# Altium PCB MB V3.PcbDoc (part 4 of 4)
Units mil, origin at the board's own origin, x right, y up, seen from the top; angles counter-clockwise.
Board outline 7875 x 7012 mil, 4 copper layers (Top Layer, Mid Top, Mid Bottom, Bottom Layer), stack 23.756 mil thick; 247 components, 228 nets, 947 pads, 302 vias.
Unrouted connection lines stored in the file: 2.
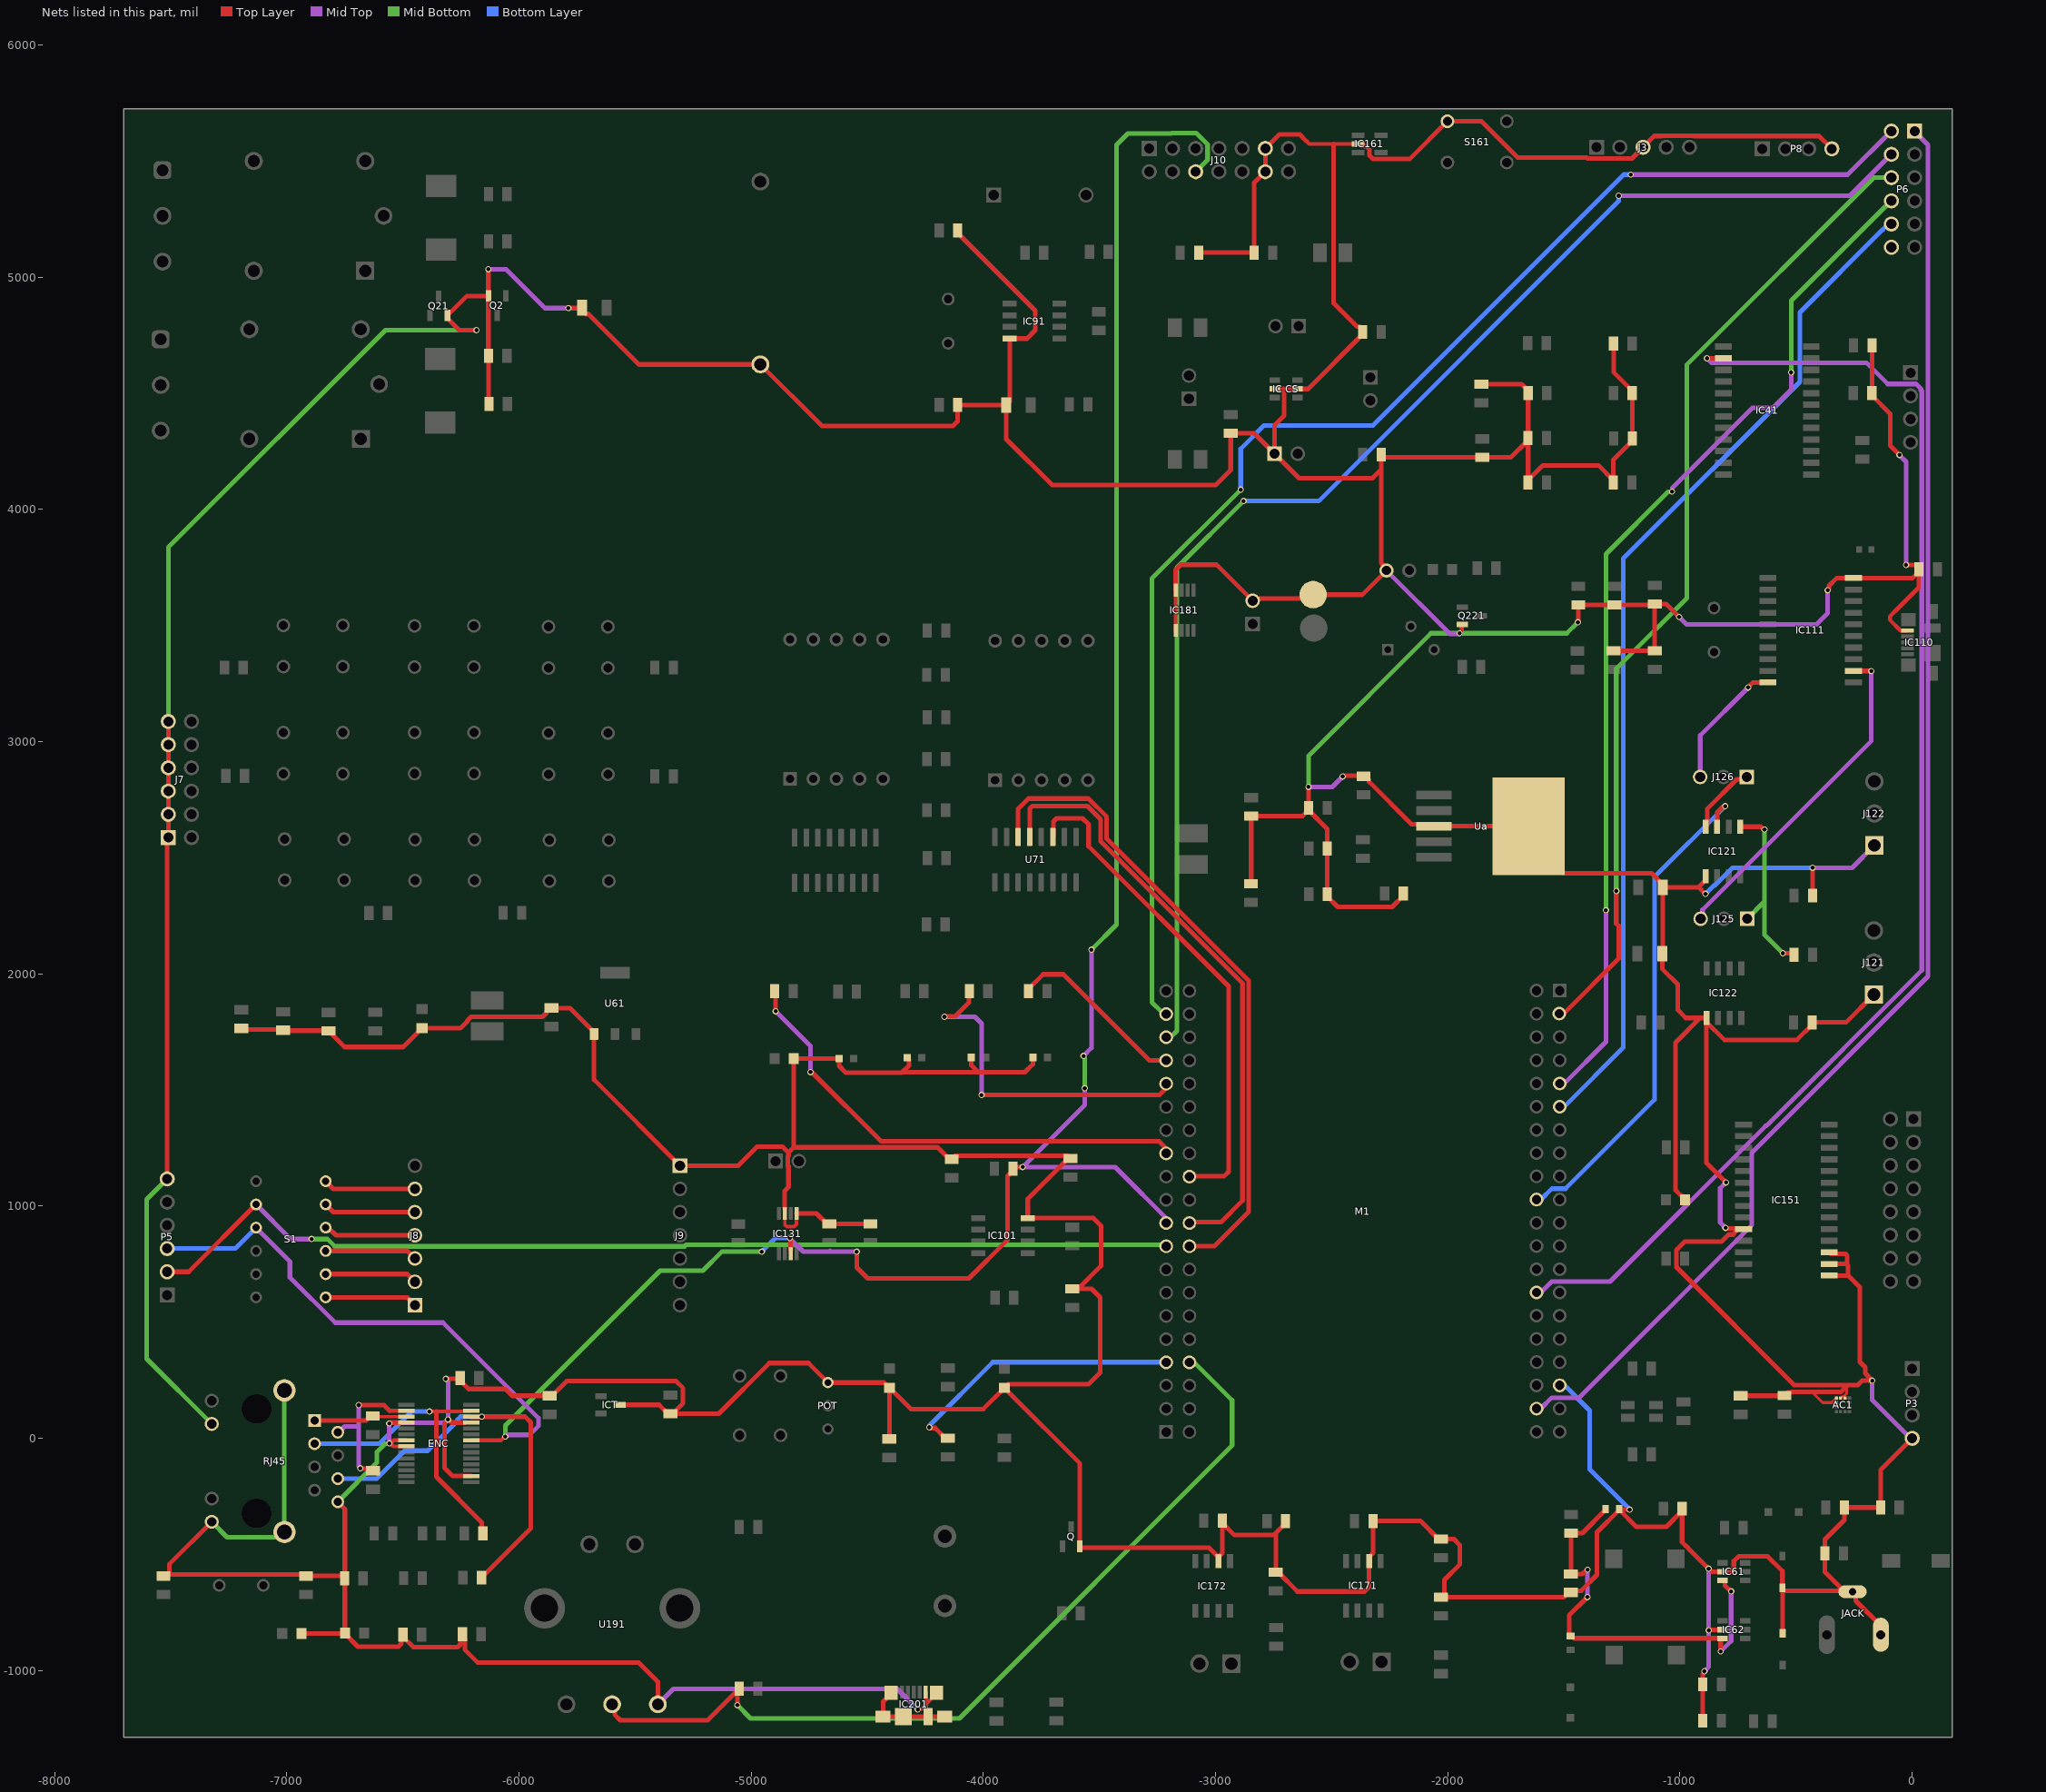
[diagram p6: the nets of this part, all layers, seen from the top]

## Via types
v1: diameter 27, hole 18, Top Layer to Bottom Layer, tented both sides, 290 vias
v2: diameter 27, hole 18, Top Layer to Bottom Layer, 12 vias

## Nets (pads, with @x,y where several pads share a name; then routed paths per layer and width w, separated by ;. In a path a pad name is that pad's centre, name@x,y a point inside that pad or via, vN(x,y) a via of type N, cw(c..) or ccw(c..) an arc to the next point about the centre after c; other vN are vias at no path point) (continued)
RJ4/LEDG: M1.5 RG4.2 | length 1495.8
  Top Layer w20: v1(-4167.94,1815) -4166.6,1816.34 -4122.6,1816.34 -4062.23,1876.72 -4062.23,1923.72 RG4.2@-4060.94,1925 ; v1(-4007.94,1478) -3243.4,1478 -3193.4,1528 M1.5@-3192.94,1528
  Mid Top w20: v1(-4167.94,1815) -4036.94,1815 -4007.94,1786 v1(-4007.94,1478)
RJ5/LEDG: M1.4 RG5.2 | length 802.4
  Top Layer w20: RG5.2@-3805.94,1925 -3805.94,1935 -3742.94,1998 -3655.94,1998 -3285.94,1628 M1.4@-3192.94,1628
RJ6: M1.3 P6.4 | length 5858.5
  Mid Top w20: v1(-1263.94,5351) -268.94,5351 P6.4@-90.94,5529
  Mid Bottom w20: M1.3@-3192.94,1728 -3166.94,1754 -3166.94,3749 v1(-2879.94,4036)
  Bottom Layer w20: v1(-2879.94,4036) -2555.94,4036 -1263.94,5328 v1(-1263.94,5351)
RJ7: M1.2 P6.2 | length 6012
  Mid Top w20: v1(-1211.94,5442) -277.94,5442 P6.2@-90.94,5629
  Mid Bottom w20: M1.2@-3192.94,1828 -3198.55,1833.61 -3230.55,1833.61 -3274.94,1878 -3274.94,3702 v1(-2891.94,4085)
  Bottom Layer w20: v1(-2891.94,4085) -2891.94,4261 -2791.94,4361 -2322.94,4361 -1241.94,5442 v1(-1211.94,5442)
RK0/LEDG: M1.8 RG1.2 | length 2109.3
  Top Layer w20: RG1.2@-4898.94,1926 -4894.94,1922 v1(-4894.94,1839) ; v1(-4744.94,1577) -4738.94,1577 -4440.75,1278.81 -3243.75,1278.81 M1.8@-3192.94,1228
  Mid Top w20: v1(-4894.94,1839) -4744.94,1689 v1(-4744.94,1577)
RK1: M1.62 P6.6 | length 4235.5
  Top Layer w20: M1.62@-1499.94,1830 -1262.94,2067 -1262.94,2205.3 -1274.44,2216.8 v1(-1274.44,2357)
  Mid Bottom w20: v1(-1274.44,2357) -1274.44,3314.06 -969.94,3618.56 -969.94,4624 -164.94,5429 P6.6@-90.94,5429
RK2: M1.65 P6.8 | length 4443.7
  Mid Top w20: M1.65@-1497.94,1529 -1318.94,1708 v1(-1318.94,2274) ; v1(-1033.94,4077) -1032.6,4078.34 -1032.6,4093.34 -688.3,4437.64 -600.3,4437.64 -520.94,4517 v1(-520.94,4590)
  Mid Bottom w20: v1(-1318.94,2274) -1318.94,3808 -1051.28,4075.66 -1035.28,4075.66 v1(-1033.94,4077) ; v1(-520.94,4590) -520.94,4899 P6.8@-90.94,5329
RK3: M1.66 P6.10 | length 4390.3
  Bottom Layer w20: M1.66@-1497.94,1429 -1244.94,1682 -1244.94,3787.94 -483.94,4548.94 -483.94,4848.77 -129.23,5203.48 -128.63,5203.48 -103.11,5229 P6.10@-90.94,5229
RK4: P6.12
RK6: M1.59 P6.1 | length 6283.6
  Mid Top w20: M1.59@-1597.94,129 -1552.04,174.9 -1434.04,174.9 -690.13,918.82 -690.13,1230.82 68.06,1989 68.06,5570 P6.1@9.06,5629
RK7/PWMOUT12: IC41.2 M1.54 | length 5766.7
  Top Layer w20: v1(-883.94,4651) IC41.2@-812.92,4651
  Mid Top w20: M1.54@-1597.94,629 -1552.04,674.9 -1301.43,674.9 -631.32,1345.01 -628.58,1345.01 41.54,2015.13 41.54,4509.08 37.54,4513.08 37.54,4519.66 16.68,4540.52 -105.46,4540.52 -196.94,4632 -864.94,4632 v1(-883.94,4651)
RL0/DIR1: IC121.3 M1.50 | length 2162.4
  Top Layer w20: IC121.3@-839.94,2633.73 -839.94,2694.7 -813.98,2720.66 -806.78,2720.66 v1(-805.44,2722)
  Bottom Layer w20: M1.50@-1597.94,1029 -1552.04,1074.9 -1493.31,1074.9 -1109.94,1458.27 -1109.94,2417.5 v1(-805.44,2722)
RL1/SEG: M1.29 U71.3 | length 2138.8
  Top Layer w20: U71.3@-3700.94,2589.44 -3699.13,2591.25 -3699.13,2655.81 -3684.72,2670.22 -3573.47,2670.22 -3547.13,2643.89 -3547.13,2549.34 -2944.23,1946.44 -2944.23,1147.72 -2963.94,1128 M1.29@-3092.94,1128
RL2/SEG: M1.31 U71.5 | length 2598.6
  Top Layer w20: U71.5@-3800.94,2589.44 -3800.94,2710.5 -3789.23,2722.22 -3551.93,2722.22 -3495.13,2665.43 -3495.13,2570.88 -2883.94,1959.69 -2883.94,1024 -2977.42,930.53 -3090.42,930.53 M1.31@-3092.94,928
RL3/SEG: M1.32 U71.6 | length 2804.1
  Top Layer w20: U71.6@-3850.94,2589.44 -3850.94,2710.27 -3806.22,2755 -3547.94,2755 -3469.13,2676.2 -3469.13,2581.65 -2857.94,1970.46 -2857.94,975 -3004.94,828 M1.32@-3092.94,828
RL4/ENCODER: M1.37 R192.1 U191.B1 | length 3782.8
  Top Layer w20: U191.B1@-5599.28,-1145.39 -5588.42,-1156.25 -5588.42,-1189.52 -5563.94,-1214 -5187.94,-1214 R192.1@-5059.94,-1086 ; v1(-5059.94,-1149) R192.1@-5059.94,-1086 ; R192.1@-5051.94,-1078 R192.1@-5059.94,-1086
  Mid Bottom w20: v1(-5059.94,-1149) -5002.94,-1206 -4103.94,-1206 -2928.94,-31 -2928.94,164 M1.37@-3092.94,328
RL5/BUTTON: M1.17 R83.1 | length 1259.5
  Top Layer w20: v1(-4232.94,47) -4230.07,44.13 -4208.07,44.13 -4163.94,0 R83.1@-4153.94,0
  Bottom Layer w20: v1(-4232.94,47) -4232.94,55 -3959.94,328 M1.17@-3192.94,328
RL6/SS1: M1.12 P5.2 S1.2 | length 4521.6
  Top Layer w20: P5.2@-7515.89,717 -7422.94,717 S1.2@-7132.94,1007
  Mid Top w20: S1.2@-7132.94,1007 -6983.94,858 v1(-6893.94,858)
  Mid Bottom w20: v1(-6893.94,858) -6825.13,858 -6793.63,826.5 -5287.54,826.5 -5281.04,833 -3200.36,833 M1.12@-3194.38,827.02
RL7/SCK: ENC.8 IC131.3 J10.6 M1.11 P5.3 R105.2 S1.3 | length 11390.6
  Top Layer w17: ENC.8@-6206.18,-9.2 -6078.35,-9.2 -6062.15,7 v1(-6059.44,7)
  Top Layer w20: v1(-4834.1,862.66) -4834.1,860.76 -4830.15,856.81 IC131.3@-4830.15,812.95 ; v1(-4545.94,803.5) -4545.94,736 -4498.94,689 -4061.94,689 -3896.94,854 -3896.94,1129.97 -3889.91,1137 -3886.94,1137 -3872.94,1151 R105.2@-3872.94,1161 -3865.94,1168 v1(-3830.94,1168)
  Mid Top w20: S1.3@-7132.94,907 -6986.98,761.04 -6986.98,693.04 -6791.94,498 -6327.88,498 -5916.94,87.06 -5916.94,52.43 -5954.38,15 -6049.55,15 -6057.55,7 v1(-6059.44,7) ; v1(-4834.1,862.66) -4834.1,862.16 -4775.94,804 -4664.47,804 -4661.47,807 -4657.97,803.5 v1(-4545.94,803.5) ; v1(-3568.94,1646.5) -3568.94,1647 -3534.94,1681 v1(-3534.94,2104) ; v1(-3563.94,1507.5) -3563.94,1435 v1(-3830.94,1168) -3432.94,1168 M1.11@-3192.94,928
  Mid Bottom w20: v1(-6059.44,7) -6059.44,54.56 -5392.01,722 -5208.48,722 -5126.98,803.5 v1(-4954.94,803.5) ; v1(-3568.94,1646.5) -3568.94,1644.61 -3563.94,1639.61 v1(-3563.94,1507.5) ; v1(-3534.94,2104) -3427.34,2211.61 -3427.34,5569.61 -3377.94,5619 -3190.03,5619 -3188.03,5621 -3083.86,5621 -3034.94,5572.08 -3034.94,5505.52 J10.6@-3085.94,5454.52
  Bottom Layer w20: P5.3@-7515.89,817 -7222.94,817 S1.3@-7132.94,907 ; v1(-4954.94,803.5) -4895.44,863 -4834.44,863 v1(-4834.1,862.66)
RS485/RX2: IC121.4 J126.1 | length 306.3
  Top Layer w20: IC121.4@-889.94,2633.73 -883.15,2640.53 -883.15,2709.8 -755.41,2837.53 -723.41,2837.53 J126.1@-712.94,2848
RS485/TX2: IC121.1 J125.1 R124.2 | length 831.5
  Top Layer w20: IC121.1@-739.94,2633.73 -651.74,2633.73 -640,2622 v1(-635.94,2622) ; v1(-556.94,2089) -515.94,2089 R124.2@-508.94,2082
  Mid Bottom w20: J125.1@-710.94,2237 -635.94,2312 ; v1(-635.94,2622) -635.94,2312 ; v1(-556.94,2089) -635.94,2168 -635.94,2312
RX4/DIP: J8.2 S1.8 | length 397.7
  Top Layer w20: S1.8@-6832.94,707 -6481.94,707 J8.2@-6448.94,674
SCK/DIP: J8.4 S1.10 | length 397.7
  Top Layer w20: S1.10@-6832.94,907 -6821.8,907 -6788.8,874 J8.4@-6448.94,874
SDI/DIP: J8.6 S1.12 | length 408.8
  Top Layer w20: S1.12@-6821.8,1107 S1.12@-6832.94,1107 -6799.94,1074 J8.6@-6448.94,1074
SDO/DIP: J8.3 S1.9 | length 397.7
  Top Layer w20: S1.9@-6832.94,807 -6481.94,807 J8.3@-6448.94,774
SS/DIP: J8.5 S1.11 | length 397.7
  Top Layer w20: S1.11@-6832.94,1007 -6799.94,974 J8.5@-6448.94,974
TPIN+: ENC.13 R146.1 RJ45.3 | length 1342.2
  Top Layer w15: v1(-6386.44,115.25) -6356.57,115.25 -6247.47,115.25 -6247.21,115.52 -6242.9,115.52 -6241.03,117.39 -6207.54,117.39 ENC.13@-6206.18,118.75
  Top Layer w20: -6356.57,115.25 -6356.57,-166.38 -6160.66,-362.29 -6160.66,-405.29 R146.1@-6155.94,-410
  Bottom Layer w20: RJ45.3@-6881.03,-23.63 -6602.29,-23.63 -6463.42,115.25 v1(-6386.44,115.25)
TPIN-: ENC.12 R145.2 RJ45.6 | length 1757
  Top Layer w20: ENC.12@-6206.18,93.16 v1(-6160.73,93.16) -5974.38,93.16 -5949.44,68.22 -5949.44,-387.5 R145.2@-6161.94,-600
  Bottom Layer w20: RJ45.6@-6781.03,-173.63 -6613.22,-173.63 -6493.17,-53.58 -6393.88,-53.58 -6266.79,73.51 -6266.79,78.43 -6252.07,93.16 v1(-6160.73,93.16)
TPOUT+: ENC.17 R148.1 RJ45.1 | length 404.6
  Top Layer w15: R148.1@-6629.94,96 -6627.1,93.16 ENC.17@-6485.71,93.16
  Top Layer w20: RJ45.1@-6881.03,76.37 -6659.57,76.37 -6639.94,96 R148.1@-6629.94,96
TPOUT-: ENC.16 R147.2 RJ45.2 | length 650
  Top Layer w17: -6557.69,118.75 ENC.16@-6485.71,118.75
  Top Layer w20: v1(-6690.94,143) -6581.94,143 -6557.69,118.75 ; v1(-6683.85,-129.1) -6682.51,-130.43 -6638.51,-130.43 R147.2@-6628.94,-140
  Mid Top w20: RJ45.2@-6781.03,26.37 -6776.42,26.37 -6751.8,51 -6690.94,51 ; v1(-6690.94,143) -6690.94,51 ; v1(-6683.85,-129.1) -6683.85,-127.2 -6690.94,-120.1 -6690.94,51
TX4/DIP: J8.1 S1.7 | length 397.7
  Top Layer w20: S1.7@-6832.94,607 -6481.94,607 J8.1@-6448.94,574
USB/RX2: IC111.10 J126.3 | length 566.3
  Top Layer w20: v1(-706.39,3233.44) -706.39,3235.04 -686.43,3255 IC111.10@-621,3255
  Mid Top w20: J126.3@-912.94,2848 -912.94,3026.89 v1(-706.39,3233.44)
USB/TX2: IC111.12 J125.3 | length 1448.8
  Top Layer w20: IC111.12@-252.89,3305 -252.39,3304.5 -176.44,3304.5 v1(-175.94,3304)
  Mid Top w20: J125.3@-910.94,2237 -902.96,2244.98 -902.96,2275.98 -175.94,3003 v1(-175.94,3304)
VFB: IC61.3 IC62.3 R61.1 R62.2 R63.2 R64.1 | length 1831
  Top Layer w20: R63.2@-1471.94,-851.47 -1473.83,-851.47 -1477.6,-847.69 -1477.6,-762.66 v1(-1398.94,-684) ; R63.2@-1468.01,-851.47 -1458.08,-861.4 IC62.3@-819.13,-861.4 ; v1(-1397.98,-565.97) -1402.03,-565.97 -1420.07,-584 R62.2@-1469.94,-584 -1468.94,-583 R61.1@-1468.94,-408 -1420.53,-408 -1320.47,-307.94 R64.1@-1320.47,-304 ; v1(-824.94,-918) -824.94,-867.21 IC62.3@-819.13,-861.4 ; IC62.3@-817.37,-861.4 IC62.3@-819.13,-861.4 ; IC61.3@-817.16,-611.4 -811.57,-611.4 -805.76,-617.21 -805.76,-634.18 -780.79,-659.16 v1(-779.1,-659.16)
  Mid Top w20: v1(-1398.94,-684) -1398.46,-683.52 -1398.46,-566.45 v1(-1397.98,-565.97) ; v1(-824.94,-918) -779.94,-873 -779.94,-660 v1(-779.1,-659.16)
VSS: "IC CS.2" "IC CS.5" "T PAD.1" AC1.5 AC1.6 AC1.7 AC1.8 BT1.2 C41.2 C42.2 C43.2 C44.2 C45.2 C46.2 C47.2 C62.2 C63.1 C64.1 C65.2 C67.1 C68.1 C91.2 C92.2 C94.2 C111.2 C112.2 C113.2 C114.2 C115.2 C116.2 C121.1 C122.1 C131.1 C132.2 C141.1 C142.2 C143.2 C144.2 C145.2 C171.2 C172.2 C173.2 C174.2 C211.2 C212.2 C221.2 C222.2 C223.1 CA1.2 CA2.2 CA3.2 CA4.2 CA5.2 CA.2 CB1.2 CB2.2 CB3.2 CB4.2 Ct1.2 Ct.2 D2.1 D71.1 D72.1 D131.1 D132.1 D141.1 DG1.1 DG2.1 DG3.1 DG4.1 DG5.1 ENC.2 ENC.11 ENC.18 ENC.21 ENC.22 IC61.2 IC62.2 IC91.4 IC101.4 IC110.5 IC111.20 IC121.5 IC122.5 IC131.5 IC131.7 IC151.10 IC151.15 IC151.16 IC151.17 IC161.2 IC171.2 IC172.2 IC181.4 IC181.5 IC201.5 IC201.MP1 IC201.MP2 IC201.MP3 IC201.MP4 IC201.MP5 IC201.MP6 ICT.3 J3.3 J4.1 J7.1 J7.3 J7.5 J7.7 J7.9 J7.11 J9.1 J10.11 J10.12 J121.1 J122.1 J181.2 JACK.B JACK.C M1.78 P3.4 P5.6 P8.4 POT.1 Q2.2 Q21.2 Q221.2 Q.2 R22.1 R24.1 R41.1 R43.1 R45.1 R46.1 R62.1 R64.2 R84.2 R102.2 R103.2 R104.2 R121.2 R123.2 R141.1 R172.1 R173.1 R221.1 R225.1 RA1.2 RJ45.8 RJ45.10 RJ45.12 RJ45.15 RJ45.16 S161.1 SuperCap.2 U61.1 U191.C1 U210.2 Ua.3 Ua.6 Z61.2 Z62.2 | length 66564.1
  Top Layer w12: -431.94,200 -385.79,153.84 -346.15,153.84 ; AC1.8@-325.98,153.84 -346.15,153.84 ; AC1.7@-325.98,173.53 -326.47,173.53 -346.15,153.84 ; AC1.6@-307.79,173.53 -307.79,174.02 -301.52,180.29 -294.4,180.29 -282.29,192.39 -282.29,224
  Top Layer w15: IC131.7@-4855.74,968.61 -4855.74,919.79 -4846.95,911 -4815.94,911 -4805.92,921.03 -4805.92,967.26 IC131.5@-4804.56,968.61 ; v1(-4282.94,-1168) -4280.65,-1165.7 -4268.38,-1165.7 -4248.49,-1145.81 IC201.MP2@-4218.58,-1115.9 ; IC181.5@-3172.33,3479.39 IC181.4@-3172.33,3652.61
  Top Layer w17: ENC.22@-6485.71,-34.8 -6541.55,-34.8 -6554.34,-22 -6541.55,-9.2 ENC.21@-6485.71,-9.2 ; -2607.94,5585 -2596.94,5574 -2491.55,5574 IC161.2@-2386.16,5574 ; -73.94,3561 -96.02,3538.92 -96.02,3524.84 -50,3478.82 -20.03,3478.82 IC110.5@-19.67,3478.46
  Top Layer w20: C143.2@-7531.94,-593 -7521.94,-593 -7506.94,-578 -7506.94,-542.65 RJ45.12@-7323.94,-359.65 ; P5.6@-7515.89,1117 -7515.89,2582.06 J7.1@-7510.94,2587 J7.3@-7510.94,2687 J7.5@-7510.94,2787 J7.7@-7510.94,2887 J7.9@-7510.94,2987 J7.11@-7510.94,3087 ; C143.2@-7506.94,-587 -6923.94,-587 C142.2@-6917.94,-593 -6761.94,-593 R141.1@-6751.94,-603 ; CB1.2@-7196.94,1765 -7192.94,1761 -7019.94,1761 CB2.2@-7015.94,1757 -7014.44,1755.5 -6822.44,1755.5 CB3.2@-6820.94,1754 -6751.94,1685 -6499.27,1685 D2.1@-6417.94,1766.32 -6252.09,1766.32 -6223.81,1794.6 -6223.81,1798.14 -6206.95,1815 -5898.94,1815 -5880.94,1833 -5880.94,1843 -5870.94,1853 CB4.2@-5860.94,1853 -5781.31,1853 -5677.1,1748.79 U61.1@-5677.1,1741.31 -5677.1,1543.89 J9.1@-5307.21,1174 -5056.94,1174 -4974.94,1256 -4865.48,1256 -4839.94,1230.47 ; D131.1@-6937.61,-840 -6751.28,-840 D132.1@-6750.28,-839 ; RJ45.8@-6781.03,-273.63 -6750.28,-304.38 D132.1@-6750.28,-839 ; v1(-6559.48,63.66) -6558.14,65 -6553.57,65 -6551,67.57 ENC.18@-6511.14,67.57 ; v1(-6558.94,-22) v1@-6554.34,-22 ; v1(-6315.94,256) -6256.94,256 C141.1@-6253.94,259 -6253.94,249 -6217.44,212.5 -6059.39,212.5 -6029.89,183 Ct1.2@-5867.94,183 -5857.94,183 -5793.94,247 -5324.94,247 -5293.94,216 -5293.94,151 Ct.2@-5338.94,106 ; C145.2@-6243.94,-854 -6233.94,-864 -6233.94,-910 -6177.4,-966.55 -5484.4,-966.55 -5402.43,-1048.51 U191.C1@-5402.43,-1145.39 ; C145.2@-6243.94,-844 -6252.57,-852.63 -6252.57,-887.8 -6264.29,-899.51 -6455.43,-899.51 -6499.94,-855 C144.2@-6499.94,-845 -6507.09,-852.14 -6507.09,-884.14 -6519.94,-897 -6694.25,-897 -6750.28,-840.97 D132.1@-6750.28,-839 ; ENC.11@-6231.61,67.78 -6290.83,67.78 -6304.05,81 v1(-6305.94,81) -6305.94,79.11 -6321.77,63.28 -6321.77,-127.17 -6286.2,-162.75 ENC.2@-6206.18,-162.75 ; v1(-6183.94,4772) -6257.68,4772 -6308.54,4822.87 Q21.2@-6308.54,4835.66 -6224.87,4919.34 Q2.2@-6132.35,4919.34 ; v1(-6132.35,5034.4) Q2.2@-6132.35,4919.34 ; R22.1@-6129.94,4454 -6131.94,4456 R24.1@-6131.94,4661 -6132.35,4661.4 Q2.2@-6132.35,4919.34 ; v1(-5787.94,4867) -5731.09,4867 SuperCap.2@-5729.09,4869 -5729.09,4857.19 -5713.44,4841.54 -5701.63,4841.54 -5484.6,4624.5 BT1.2@-4960.94,4624.5 -4695.44,4359 -4131.94,4359 -4110.94,4380 C91.2@-4110.94,4451 -4109.94,4450 C94.2@-3902.09,4450 ; ICT.3@-5564.61,144 -5396.94,144 -5358.94,106 Ct.2@-5348.94,106 Ct.2@-5338.94,106 ; IC131.7@-4855.74,986.17 -4855.74,1066.02 -4839.94,1081.82 -4839.94,1171.83 -4842.44,1174.33 -4842.44,1213.67 -4839.94,1216.17 -4839.94,1230.47 ; IC131.5@-4804.56,968.61 -4719.56,968.61 -4673.94,923 C131.1@-4663.94,923 C132.2@-4486.94,923 ; R84.2@-4405.94,-3 -4403.94,-1 D71.1@-4403.94,217.66 ; IC201.MP1@-4397.58,-1096.62 -4397.58,-1099.08 -4432.54,-1134.04 IC201.MP3@-4432.54,-1198 IC201.MP4@-4344.94,-1198 IC201.MP5@-4238.64,-1198 ; DG3.1@-4328.44,1639 -4320.88,1631.44 -4320.88,1605.06 -4349.94,1576 ; IC201.5@-4248.49,-1093.28 -4248.49,-1145.81 -4248.49,-1188.16 IC201.MP5@-4238.64,-1198 ; IC201.MP2@-4219.81,-1114.67 IC201.MP2@-4201.75,-1096.62 ; IC201.MP6@-4166.79,-1198 IC201.MP5@-4238.64,-1198 ; C92.2@-4110.94,5201 -4110.94,5191 -3776.44,4856.5 -3776.44,4771.95 -3812.4,4736 IC91.4@-3886.68,4736 -3886.68,4465.42 C94.2@-3902.09,4450 ; DG4.1@-4052.44,1640 -4052.44,1606.5 -4021.94,1576 ; DG5.1@-3787.44,1640 -3787.44,1610.5 -3821.94,1576 -4021.94,1576 ; R103.2@-3617.94,644 R103.2@-3591.94,644 ; IC181.4@-3172.33,3652.61 -3172.33,3738.61 -3148.94,3762 -2995.94,3762 J181.2@-2840.94,3607 -2831.19,3616.76 -2596.19,3616.76 -2579.94,3633 -2368.16,3633 U210.2@-2264.16,3737 -2264.16,3745.75 -2286.94,3768.54 -2286.94,4173 ; C222.2@-3072.94,5106 R225.1@-2833.94,5106 -2833.94,5406.52 J10.12@-2785.94,5454.52 J10.11@-2785.94,5554.52 -2725.46,5615 -2637.94,5615 -2607.94,5585 ; IC172.2@-2987.94,-529.27 IC172.2@-2987.94,-511.98 ; C174.2@-2970.94,-355 C174.2@-2970.94,-365 ; CA4.2@-2849.94,2386 CA4.2@-2847.94,2388 -2846.94,2389 CA1.2@-2846.94,2679 -2625.94,2679 CA.2@-2599.94,2705 ; C173.2@-2698.94,-356 -2698.94,-366 -2740.94,-408 ; v1(-2599.94,2805) CA.2@-2599.94,2715 CA.2@-2599.94,2705 ; -2491.55,5574 -2491.55,4888.61 -2390.94,4788 -2380.94,4788 -2366.94,4774 C223.1@-2366.94,4764 -2366.94,4754 -2601.94,4519 -2646.73,4519 -2745.16,4519 -2739.35,4513.19 -2716.84,4513.19 -2704.52,4500.87 -2704.52,4403.89 -2745.94,4362.47 J4.1@-2745.94,4240 ; v1(-2453.08,2849.86) -2451.19,2849.86 -2448.05,2853 -2364.94,2853 RA1.2@-2362.94,2851 -2352.94,2851 -2338.94,2837 -2338.94,2827 -2156.36,2644.42 -2068.46,2644.42 Ua.3@-2060.04,2636 Ua.6@-1652.56,2636 -1652.56,2580.88 -1507.05,2435.37 -1497.7,2435.37 -1495.33,2433 -1121.98,2433 -1073.79,2384.81 C122.1@-1073.79,2373 ; IC161.2@-2370.41,5574 -2360.82,5564.41 -2351.97,5564.41 -2336.94,5549.38 -2336.94,5523.81 -2321.92,5508.79 -2164.69,5508.79 S161.1@-2001.9,5671.58 -1855.53,5671.58 -1699.41,5515.46 -1402.05,5515.46 -1398.05,5511.46 -1207.42,5511.46 J3.3@-1158.94,5559.94 -1110.89,5608 -1079.45,5608 -1079.03,5608.43 -938.86,5608.43 -938.44,5608 -401,5608 P8.4@-345.94,5552.94 ; CA2.2@-2191.94,2346 -2191.94,2336 -2239.94,2288 -2473.94,2288 -2519.94,2334 -2519.94,2539 CA5.2@-2518.94,2540 -2518.94,2624 CA.2@-2599.94,2705 ; -1940.94,3479.12 -1940.94,3498.79 -1938.28,3501.45 Q221.2@-1938.28,3504.6 ; C46.2@-1855.94,4539 -1681.94,4539 -1653.94,4511 R41.1@-1653.94,4501 C41.2@-1653.94,4127 ; C41.2@-1654.94,4116 -1653.94,4117 C41.2@-1653.94,4127 ; C45.2@-1654.94,4297 -1727.94,4224 C47.2@-1851.94,4224 -2274.94,4224 R221.1@-2286.94,4236 -2286.94,4173 ; v1(-1439.94,3514) -1437.94,3516 C114.2@-1437.94,3589 C113.2@-1282.94,3589 -1112.94,3589 C112.2@-1108.94,3593 ; C115.2@-1286.94,3391 C111.2@-1108.94,3391 C112.2@-1108.94,3593 ; C43.2@-1286.94,4116 C43.2@-1286.94,4126 ; R45.1@-1285.94,4714 -1285.94,4591 -1205.94,4511 R46.1@-1205.94,4501 -1205.94,4307 C42.2@-1204.94,4306 -1204.94,4296 -1286.94,4214 C43.2@-1286.94,4126 ; v1(-1216.94,-307) -1260.48,-307 R64.2@-1261.42,-307.94 ; v1(-1003.94,3537) -1059.94,3593 C112.2@-1108.94,3593 ; C63.1@-990.94,-303 C63.1@-990.94,-313 ; D141.1@-977.94,1027 -977.94,1028.97 -994.6,1045.62 -996.57,1045.62 -1019.94,1069 -1019.94,1704.06 -913.74,1810.27 ; C65.2@-901.94,-1216 C62.2@-901.94,-1060 v1@-901.94,-1014.06 ; v1(-890.44,2344.53) -891.46,2344.53 -919.93,2373 ; IC121.5@-889.94,2420.27 -889.94,2402.98 -919.93,2373 ; v1(-875.94,-827) -874.44,-825.5 IC62.2@-818.87,-825.5 ; v1(-803.94,906) -801.44,903.5 -728.5,903.5 IC151.10@-726,901 -749.62,901 -766.56,884.06 -766.56,882.28 -771.34,877.5 -790.72,877.5 -821.77,846.45 -980.12,846.45 -1015.94,810.63 -1015.94,737.37 -508.07,229.5 -276.79,229.5 ; v1(-801.94,1102) -885.94,1186 IC122.5@-885.94,1792.98 ; C212.2@-738.94,183 -550.94,183 C211.2@-549.94,184 -535.94,198 -520.91,198 -518.91,200 -431.94,200 -306.29,200 -282.29,224 -276.79,229.5 ; Z62.2@-557.94,-839.5 -558.44,-839 Z61.2@-558.44,-651.3 ; R123.2@-428.94,2337 v1(-428.94,2457) ; v1(-363.94,3652) -363.94,3653.89 -358.33,3659.51 -358.33,3670.93 -324.27,3705 IC111.20@-252.89,3705 2.06,3705 C116.2@29.06,3732 ; IC151.15@-357.89,701 -275.94,701 ; IC151.16@-357.89,751 -286.97,751 ; IC151.17@-357.89,801 -351.09,794.2 -320.51,794.2 -320.44,794.14 -286.97,794.14 -279.94,787.11 -279.94,758.03 -286.97,751 ; C44.2@-172.94,4707 -172.94,4502 R43.1@-173.94,4501 -173.94,4491 -94.94,4412 -94.94,4275 v1(-54.94,4235) ; J121.1@-164.94,1911 -284.94,1791 R121.2@-430.94,1791 -430.94,1781 -495.94,1716 -808.96,1716 IC122.5@-885.94,1792.98 ; JACK.B@-134.94,-846 -134.94,-807.14 -242.6,-699.49 -242.6,-675.36 JACK.C@-256.99,-660.96 -290.46,-660.96 JACK.C@-293.82,-657.6 ; -73.94,3561 29.06,3664 C116.2@29.06,3732 ; v1(-26.44,3761) 19.06,3761 29.06,3751 C116.2@29.06,3742 C116.2@29.06,3732 ; P3.4@0,0 -135.94,-135.94 C67.1@-135.94,-298 C64.1@-291.94,-298 -291.94,-352 -375.94,-436 C68.1@-375.94,-495 -375.94,-575.47 JACK.C@-293.82,-657.6 ; Ct.2@-5338.94,106 -5139.91,106 -4921.91,324 -4753.94,324 POT.1@-4669.94,240 -4428.25,240 -4405.91,217.66 D71.1@-4403.94,217.66 ; -4839.94,1230.47 -4817.61,1252.81 ; -4817.61,1252.81 DG1.1@-4817.61,1636 -4816.61,1635 DG2.1@-4621.44,1635 -4621.44,1603.5 -4591.94,1574 -4351.94,1574 -4349.94,1576 ; -4817.61,1252.81 -4197.75,1252.81 -4146.94,1202 R104.2@-4136.94,1202 -4122.94,1216 -4106.91,1216 -4105.91,1217 -3636.94,1217 R102.2@-3624.94,1205 -3634.94,1205 -3809.21,1030.73 IC101.4@-3809.21,948 -3526.94,948 -3493.94,915 -3493.94,742 R103.2@-3591.94,644 ; D71.1@-4403.94,217.66 -4312.28,126 -4000.61,126 D72.1@-3909.94,216.66 ; -4349.94,1576 -4021.94,1576 ; D72.1@-3909.94,216.66 -3907.98,216.66 -3892.32,201.01 -3892.32,199.04 -3584.54,-108.74 Q.2@-3584.54,-465.34 -3584.54,-469.19 -3582.73,-471 -3028.93,-471 IC172.2@-2987.94,-511.98 ; D72.1@-3909.94,216.66 -3894.29,232.32 -3547.63,232.32 -3496.94,283 -3496.94,607 -3533.94,644 R103.2@-3591.94,644 ; C94.2@-3902.09,4450 -3902.09,4303.15 -3703.94,4105 -2999.94,4105 -2934.94,4170 C221.2@-2934.94,4328 -2833.94,4328 J4.1@-2745.94,4240 ; IC172.2@-2987.94,-511.98 -2970.94,-494.98 C174.2@-2970.94,-365 ; C174.2@-2970.94,-365 -2918.94,-417 -2749.94,-417 -2740.94,-408 ; J4.1@-2745.94,4240 -2640.94,4135 -2324.94,4135 -2286.94,4173 ; -2740.94,-408 R173.1@-2740.94,-577 -2730.94,-577 -2647.94,-660 -2358.94,-660 -2338.94,-640 IC171.2@-2338.94,-528.27 -2338.94,-510.98 -2321.94,-493.98 C172.2@-2321.94,-356 -2117.94,-356 -2039.94,-434 C171.2@-2029.94,-434 -1973.94,-434 -1948.94,-459 -1948.94,-544 -2014.97,-610.03 -2014.97,-670.03 R172.1@-2028.94,-684 -1499.94,-684 -1479.94,-664 R62.1@-1469.94,-664 -1462.23,-656.29 -1425.23,-656.29 -1357.57,-588.63 -1357.57,-404.09 R64.2@-1261.42,-307.94 ; C41.2@-1653.94,4127 -1590.94,4190 -1350.94,4190 C43.2@-1286.94,4126 ; R64.2@-1261.42,-307.94 -1188.35,-381 -1058.94,-381 C63.1@-990.94,-313 ; C122.1@-1073.79,2373 -919.93,2373 ; C122.1@-1073.79,2373 -1073.79,2090 C121.1@-1076.79,2087 -1076.79,2021.84 -1009.94,1954.99 -1009.94,1845 -975.21,1810.27 -913.74,1810.27 ; C63.1@-990.94,-313 -990.94,-447.31 -975.61,-462.65 -974.06,-462.65 -964.68,-472.02 -964.68,-473.57 v1(-876.6,-561.66) -874.71,-561.66 -862.36,-574 IC61.2@-817.16,-574 -816.53,-574.62 -779.66,-574.62 -767.94,-562.91 -767.94,-528.74 -748,-508.79 -693.73,-508.79 -622.16,-508.79 -558.94,-572 Z61.2@-558.94,-644.5 -558.94,-650.8 Z61.2@-558.44,-651.3 ; -913.74,1810.27 IC122.5@-885.94,1810.27 IC122.5@-885.94,1792.98 ; Z61.2@-558.44,-651.3 -552.15,-657.6 JACK.C@-293.82,-657.6 ; -286.97,751 -282.97,751 -275.94,743.97 -275.94,701 ; -276.79,229.5 -234.57,229.5 -216.07,248 v1(-171.94,248) -171.94,249.89 -201.57,279.52 -201.57,305.11 -225.38,328.92 -225.38,650.44 -275.94,701
  Mid Top w20: v1(-6559.48,63.66) -6559.21,63.39 -6559.21,-21.73 v1(-6558.94,-22) ; v1@-6555.94,67 -6321.16,67 -6307.16,81 v1(-6305.94,81) ; v1(-6315.94,256) -6315.94,254.11 -6305.94,244.11 -6305.94,84.23 v1@-6306.89,83.29 ; v1(-6132.35,5034.4) -6056.35,5034.4 -5888.94,4867 v1(-5787.94,4867) ; U191.C1@-5402.43,-1145.39 -5336.05,-1079 -4392.94,-1079 -4371.94,-1079 v1(-4282.94,-1168) ; v1(-2599.94,2805) -2497.94,2805 v1(-2453.08,2849.86) ; U210.2@-2264.16,3737 -1990.82,3463.66 -1952.35,3463.66 v1(-1949.48,3466.53) ; v1(-1003.94,3537) -971.94,3505 -411.94,3505 -363.94,3553 v1(-363.94,3652) ; v1(-894.94,-1003) -875.94,-984 v1(-875.94,-827) -876.94,-826 -876.94,-562 v1(-876.6,-561.66) ; v1(-803.94,906) -826.94,929 -826.94,1077 v1(-801.94,1102) ; v1(-428.94,2457) -258.94,2457 J122.1@-162.94,2553 ; v1(-171.94,248) -171.94,165 -6.94,0 P3.4@0,0 ; v1(-54.94,4235) -54.94,4233.11 -26.44,4204.61 v1(-26.44,3761)
  Mid Bottom w20: P5.6@-7515.89,1117 -7603.94,1028.94 -7603.94,342 RJ45.10@-7323.94,62 ; J7.11@-7510.94,3087 -7510.94,3837 -6575.94,4772 v1(-6183.94,4772) ; RJ45.12@-7323.94,-359.65 -7257.6,-426 -7053.84,-426 -7031.59,-403.75 RJ45.16@-7010.95,-403.75 RJ45.15@-7010.95,206.09 ; RJ45.8@-6781.03,-273.63 -6612.22,-104.82 -6612.22,-59.27 -6576.28,-23.34 -6560.28,-23.34 v1(-6558.94,-22) ; v1(-2599.94,2805) -2599.94,2939 -2072.41,3466.53 v1(-1949.48,3466.53) -1487.41,3466.53 v1(-1439.94,3514)
  Bottom Layer w20: M1.78@-1497.94,229 -1388.94,120 -1388.94,-134 -1216.94,-306 v1(-1216.94,-307) ; v1(-890.44,2344.53) -854.63,2380.35 -850.6,2380.35 -773.94,2457 v1(-428.94,2457)
pads on no net: AC1. AC1.2 AC1.3 AC1.12 DS1.5 DS2.5 ENC.3 ENC.4 ENC.5 ENC.10 IC41.6 IC41.7 IC41.18 IC41.19 IC61.4 IC62.4 IC91.1 IC110.4 IC110.MP1 IC110.MP2 IC110.MP3 IC110.MP4 IC110.MP5 IC110.MP6 IC111.5 IC111.6 IC111.7 IC111.8 IC111.9 IC111.11 IC111.13 IC111.14 IC111.15 IC111.16 IC151.11 IC151.14 IC151.19 IC151.20 IC171.5 IC172.5 IC201.4 J9.2 J9.3 J9.4 J9.5 J9.6 J9.7 RJ45. RJ45.7 S41.3 S41.4 S42.3 S42.4 S43.3 S43.4 S44.3 S44.4 S45.3 S45.4 S46.3 S46.4 S47.3 S47.4 S48.3 S48.4 S49.3 S49.4 S81.2 S81.3 S161.3 S161.4 U61.4 U71.8 U72.5 U72.6 U72.7 U72.8 U72.10 U72.11 U72.12 U191.D1 U191.E1 U191.MH1 U191.MH2 VR1.2
copper on no net: | length 165
  Top Layer w20: -4724.94,1038 -4559.94,1038

## Polygon pours and split planes (outlines as drawn)
VSS on Top Layer "VSS_L01_P002" (solid, pour order 2): -7702,5725 -7702,-1278 -7705,-1281 -7698,-1288 169,-1288 169,5724 168,5725
VSS on Top Layer "Top Layer-VSS" (hatched 90Degree grid 20 track 8, remove dead copper, pour order 6): -7693,5710 163.69,5710 163.69,-1273 -7699,-1273 -7699,5666 -7679,5666
VSS on Bottom Layer "VSS_L04_P005" (hatched Horizontal grid 20 track 8, remove dead copper, pour order 5): -7707.94,5715 -7707.94,-1282 163.06,-1282 169,-1287.94 169,5722 -7700.94,5722
VSS on Mid Bottom "VSS_L03_P004" (hatched Horizontal grid 20 track 8, remove dead copper, pour order 4): -7701.94,5721 172,5721 172,-1289.06 171.06,-1290 163.06,-1282 -7707.94,-1282 -7707.94,5715
VSS on Mid Top "VSS_L02_P003" (solid, remove dead copper, pour order 3): 171,-1288 -7708,-1288 -7709,-1287 -7702,-1280 -7702,5721 172,5721

## Silkscreen, mask and mechanical layers (free items; w line width, h text height)
Top Overlay:
  lines w10: -7707.94,-1282 -6065.94,-1282 -6065.94,403 -7707.94,403 -7707.94,-1282 ; -7702,3973 -5915,3973 -5915,5721 -7702,5721 -7702,3973 ; -7364.94,2130 -5186.94,2130 -5186.94,3910 -7364.94,3910 -7364.94,2130 ; -7362.94,432 -5179.94,432 -5179.94,1593 -7362.94,1593 -7362.94,432 ; -7362.94,1628 -5183.94,1628 -5183.94,2076 -7362.94,2076 -7362.94,1628 ; -6026.94,-134 -5186.94,-134 -5186.94,405 -6026.94,405 -6026.94,-134 ; -6023.94,-1281 -4734.94,-1281 -4734.94,-195 -6023.94,-195 -6023.94,-1281 ; -5848.94,3967 -3411.94,3967 -3411.94,5718 -5848.94,5718 -5848.94,3967 ; -5142.94,-135 -3419.94,-135 -3419.94,406 -5142.94,406 -5142.94,-135 ; -5142.94,1417 -3422.94,1417 -3422.94,2078 -5142.94,2078 -5142.94,1417 ; -5141.94,2138 -3417.94,2138 -3417.94,3906 -5141.94,3906 -5141.94,2138 ; -5139.94,457 -4373.94,457 -4373.94,1364 -5139.94,1364 -5139.94,457 ; -4663.94,-877 -3416.94,-877 -3416.94,-195 -4663.94,-195 -4663.94,-877 ; -4662.94,-1278 -3418.94,-1278 -3418.94,-940 -4662.94,-940 -4662.94,-1278 ; -4309.94,456 -3419.94,456 -3419.94,1366 -4309.94,1366 -4309.94,456 ; -3321.94,-1289 -1672.94,-1289 -1672.94,-195 -3321.94,-195 -3321.94,-1289 ; -3317.94,2129 -1361.94,2129 -1361.94,3037 -3317.94,3037 -3317.94,2129 ; -3314.94,3103 -2427.94,3103 -2427.94,3910 -3314.94,3910 -3314.94,3103 ; -3313.94,3954 -1949.94,3954 -1949.94,5406 -3313.94,5406 -3313.94,3954 ; -2498.94,5443 -1532.94,5443 -1532.94,5722 -2498.94,5722 -2498.94,5443 ; -2365.94,3095 -1718.94,3095 -1718.94,3910 -2365.94,3910 -2365.94,3095 ; -1907.94,3953 164.06,3953 164.06,4929 -1907.94,4929 -1907.94,3953 ; -1887.94,4991 -181.94,4991 -181.94,5397 -1887.94,5397 -1887.94,4991 ; -1663.94,3096 169.06,3096 169.06,3906 -1663.94,3906 -1663.94,3096 ; -1604.94,-1290 171.06,-1290 171.06,-194 -1604.94,-194 -1604.94,-1290 ; -1323.94,-129 -903.94,-129 -903.94,357 -1323.94,357 -1323.94,-129 ; -1318.94,439 172.06,439 172.06,1549 -1318.94,1549 -1318.94,439 ; -1318.94,1635 164.06,1635 164.06,3036 -1318.94,3036 -1318.94,1635 ; -874.94,-129 -58.94,-129 -58.94,358 -874.94,358 -874.94,-129
  text "UART 2" at -744.67,5509.09 h60 r90
  text "WDT" at -2141.94,5489.11 h98.43 r90
  text "RESET" at -1629.99,5451.31 h94.42 r90
  text "DEBUGGER" at -1457.67,5410.93 h60 r90
  text "GSM AND GPS" at -3356.61,5332.46 h60 r90
  text "LEFT  OUT" at -115.67,5017.67 h60
  text "GPIOS" at -60.11,4957.71 h60
  text "MOTOR" at -41.49,4673.67 h60
  text "CONNECTOR" at -191.16,4134.67 h60
  text "RTC SECTION" at -4949.42,4067.09 h98.43
  text "RELAY MODULES" at -7097.67,4064.09 h98.43
  text "CURRENT SENSOR" at -3035.62,4041.09 h98.43
  text "STEPPER MOTOR" at -1196.99,4001.09 h98.43
  text "MATRIX KEYPAD" at -6635.73,3742 h98.43
  text "SEVEN SEGMENT" at -4613.58,3708.09 h98.43
  text "DIGITAL POT" at -3133.78,3189.09 h98.43
  text "LDR" at -2127.17,3140 h98.43
  text "USB TO UART" at -994.69,3131.09 h98.43
  text "POWER" at -7663.75,2449.67 h60
  text "SUPPLY" at -7668.45,2387.67 h60
  text "CONNECTOR" at -7733.16,2311.67 h60
  text "5V REGULATOR" at -2680.7,2199.09 h98.43
  text "RS-485 SECTION" at -1027.27,1664.09 h98.43
  text "3.3V REGULATOR" at -7163.41,1651.09 h98.43
  text "GENERAL LEDS" at -4553.1,1478.09 h98.43
  text "WIFI CONNECTORS" at -6388.54,1449.09 h98.43
  text "SPI" at -7694.26,1254.09 h98.43
  text "RA5/SDI" at -6743,1121.67 h60
  text "RL6/SS1" at -6736,1004.67 h60
  text "RL7/SCK" at -6741,881.67 h60
  text "RA4/SDO" at -6741,752.67 h60
  text "SPI" at -4233.99,711.09 h98.43
  text "RE6/RX4" at -6740,644.67 h60
  text "FLASH" at -4283.77,549.09 h98.43
  text "RE5/TX4" at -6738,523.67 h60
  text "I2C EXTERNAL GPIOS" at -1027.63,521.09 h98.43
  text "DAC SPI" at -4919.8,520.09 h98.43
  text "HEADER" at -7696.71,470 h90.42
  text "I2C" at 66.79,378.67 h60
  text "POT" at -3711.34,247.09 h98.43
  text "AND" at -3713.63,88 h98.43
  text "TEMPERATURE" at -5923.36,-20.91 h98.43
  text "SWITCH" at -3785.12,-73.91 h98.43
  text "RGB" at -1085.95,-93.95 h94.42
  text "ACCELEROMETER" at -861.82,-93.91 h98.43
  text "SENSOR" at -5797.28,-110.91 h98.43
  text "HEADER" at -47.25,-129 h60
  text "ROTARY ENCODER" at -5945.81,-283.91 h98.43
  text "BUZZER" at -4122.26,-296.91 h98.43
  text "LAN SECTION" at -7656.82,-976.91 h98.43
  text "CAN SECTION" at -1748.04,-1015.21 h98.43 r90
  text "COMPITABLE" at -4104.97,-1026.91 h98.43
  text "POWER SUPPLY" at -557.63,-1143.91 h98.43
  text "USB" at -3608.71,-1218.91 h98.43
Bottom Overlay:
  text "VSS" at -2803.02,5611.06 h60 r270
  text "12V" at -2706.52,5611 h60 r270
  text "RX3" at -3297.52,5610 h60 r270
  text "SCL" at -3003.02,5610 h60 r270
  text "RJ7" at -135.94,5609.59 h60
  text "SDA" at -3105.02,5609 h60 r270
  text "RK6" at 158.06,5609.43 h60
  text "3.3V" at -2903.52,5608 h60 r270
  text "TX3" at -3200.52,5606 h60 r270
  text "RB1" at 155.06,5511.43 h60
  text "RJ6" at -138.94,5508.43 h60
  text "5V" at -672.35,5448 h60 r270
  text "3.3V" at -1282.52,5411 h60 r270
  text "RK1" at -140.94,5411.43 h60
  text "RJ1" at 146.06,5410.43 h60
  text "PGD" at -1080.02,5405 h60 r270
  text "GND" at -1177.02,5404 h60 r270
  text "PGC" at -976.02,5401 h60 r270
  text "GND" at -363.02,5391 h60 r270
  text "MCLR" at -1379.02,5368 h60 r270
  text "5V" at -2711.35,5337 h60 r270
  text "SDI" at -3212.02,5316 h60 r270
  text "NC" at 160.06,5310.93 h60
  text "RK2" at -141.94,5307.43 h60
  text "SS5" at -3010.02,5302 h60 r270
  text "RE4/TX2" at -564.02,5302 h60 r270
  text "VSS" at -2808.02,5292.06 h60 r270
  text "3.3V" at -2910.52,5291 h60 r270
  text "SCK" at -3107.02,5290 h60 r270
  text "SDO" at -3302.02,5288 h60 r270
  text "RG7/RX2" at -465.02,5282 h60 r270
  text "NC" at 159.06,5211.93 h60
  text "RK3" at -140.94,5211.43 h60
  text "NC" at 158.06,5111.93 h60
  text "NC" at -141.94,5108.93 h60
  text "OUT1B" at -55.94,4567.93 h60
  text "OUT2B" at -57.94,4475.93 h60
  text "OUT1A" at -55.94,4372.93 h60
  text "OUT2A" at -55.94,4276.93 h60
  text "3.3V" at -7251.94,3067.43 h60
  text "VSS" at -7568,3058.93 h60
  text "VSS" at -7569,2964.93 h60
  text "3.3V" at -7253.94,2964.43 h60
  text "VSS" at -7568,2863.93 h60
  text "3.3V" at -7255.94,2861.43 h60
  text "VSS" at -7568,2765.93 h60
  text "5V" at -7297.94,2761.59 h60
  text "VSS" at -7568,2661.93 h60
  text "5V" at -7298.94,2661.59 h60
  text "VSS" at -7569,2563.93 h60
  text "5V" at -7298.94,2560.59 h60
  text "PA7" at -145.95,1354.59 h60
  text "PB0" at 156.06,1355.43 h60
  text "PA6" at -145.95,1253.43 h60
  text "PB1" at 156.06,1252.43 h60
  text "PB2" at 156.06,1158.43 h60
  text "PA5" at -145.95,1156.59 h60
  text "VSS" at -7361,1100.93 h60
  text "PA4" at -145.95,1052.59 h60
  text "PB3" at 156.06,1053.43 h60
  text "RA4/SD0" at -7246,998.93 h60
  text "PA3" at -145.95,956.43 h60
  text "PB4" at 156.06,954.59 h60
  text "RA5/SDI" at -7261,899.93 h60
  text "PB5" at 156.06,856.59 h60
  text "PA2" at -145.95,854.43 h60
  text "RL7/SCK" at -7246,799.93 h60
  text "PB6" at 156.06,757.43 h60
  text "PA1" at -145.95,753.43 h60
  text "RL6/SS1" at -7262,700.93 h60
  text "PA0" at -145.94,657.43 h60
  text "PB7" at 155.06,654.59 h60
  text "5V" at -7395.94,593.59 h60
  text "5V" at -44.02,275.63 h60
  text "RC4/SDA" at -44.02,176.97 h60
  text "RC3/SCL" at -44.02,73.97 h60
  text "GND" at -44,-20.07 h60
Mechanical 1:

## Text inside footprints (layer, text, board x,y; h text height)
B: Top Overlay "+" at -4235.94,-727 h60 r90
J3: Top Overlay "5" at -886.5,5582.39 h40 r180
J7: Top Overlay "1" at -7531.81,2534.64 h40 r270; Top Overlay "2" at -7429.45,2534.64 h40 r270; Top Overlay "12" at -7429.45,3201.96 h40 r270; Top Overlay "11" at -7531.81,3201.96 h40 r270
J8: Top Overlay "7" at -6515.87,1159.04 h40 r90; Top Overlay "1" at -6515.87,569.28 h40 r90
J9: Top Overlay "7" at -5240.28,588.96 h40 r270; Top Overlay "1" at -5240.28,1178.72 h40 r270
J10: Top Overlay "14" at -2570.98,5473.02 h40 r180; Top Overlay "13" at -2570.98,5575.39 h40 r180; Top Overlay "1" at -3338.31,5575.39 h40 r180; Top Overlay "2" at -3338.31,5473.02 h40 r180
J151: Top Overlay "1" at 26.92,1427.36 h40 r90; Top Overlay "2" at -75.44,1427.36 h40 r90; Top Overlay "15" at 26.92,560.04 h40 r90; Top Overlay "16" at -75.44,560.04 h40 r90
P5: Top Overlay "6" at -7538.33,1189.44 h40 r270
P6: Top Overlay "1" at 31.44,5681.36 h40 r90; Top Overlay "2" at -70.92,5681.36 h40 r90
S1: Top Overlay "5" at -7093.18,721.57 h40 r270; Top Overlay "4" at -7093.18,821.57 h40 r270; Top Overlay "3" at -7093.18,921.57 h40 r270; Top Overlay "ON" at -6912.08,1138.5 h40 r270; Top Overlay "1" at -7093.18,1116.06 h40 r270; Top Overlay "2" at -7093.18,1021.57 h40 r270; Top Overlay "6" at -7093.18,621.57 h40 r270; Mechanical 13 "5" at -7093.18,721.57 h40 r270; Mechanical 13 "4" at -7093.18,821.57 h40 r270; Mechanical 13 "3" at -7093.18,921.57 h40 r270; Mechanical 13 "1" at -7093.18,1116.06 h40 r270; Mechanical 13 "ON" at -6912.08,1138.5 h40 r270; Mechanical 13 "2" at -7093.18,1021.57 h40 r270; Mechanical 13 "6" at -7093.18,621.57 h40 r270